# Altium PCB PDU-UV17.PcbDoc (part 2 of 2) (continued)
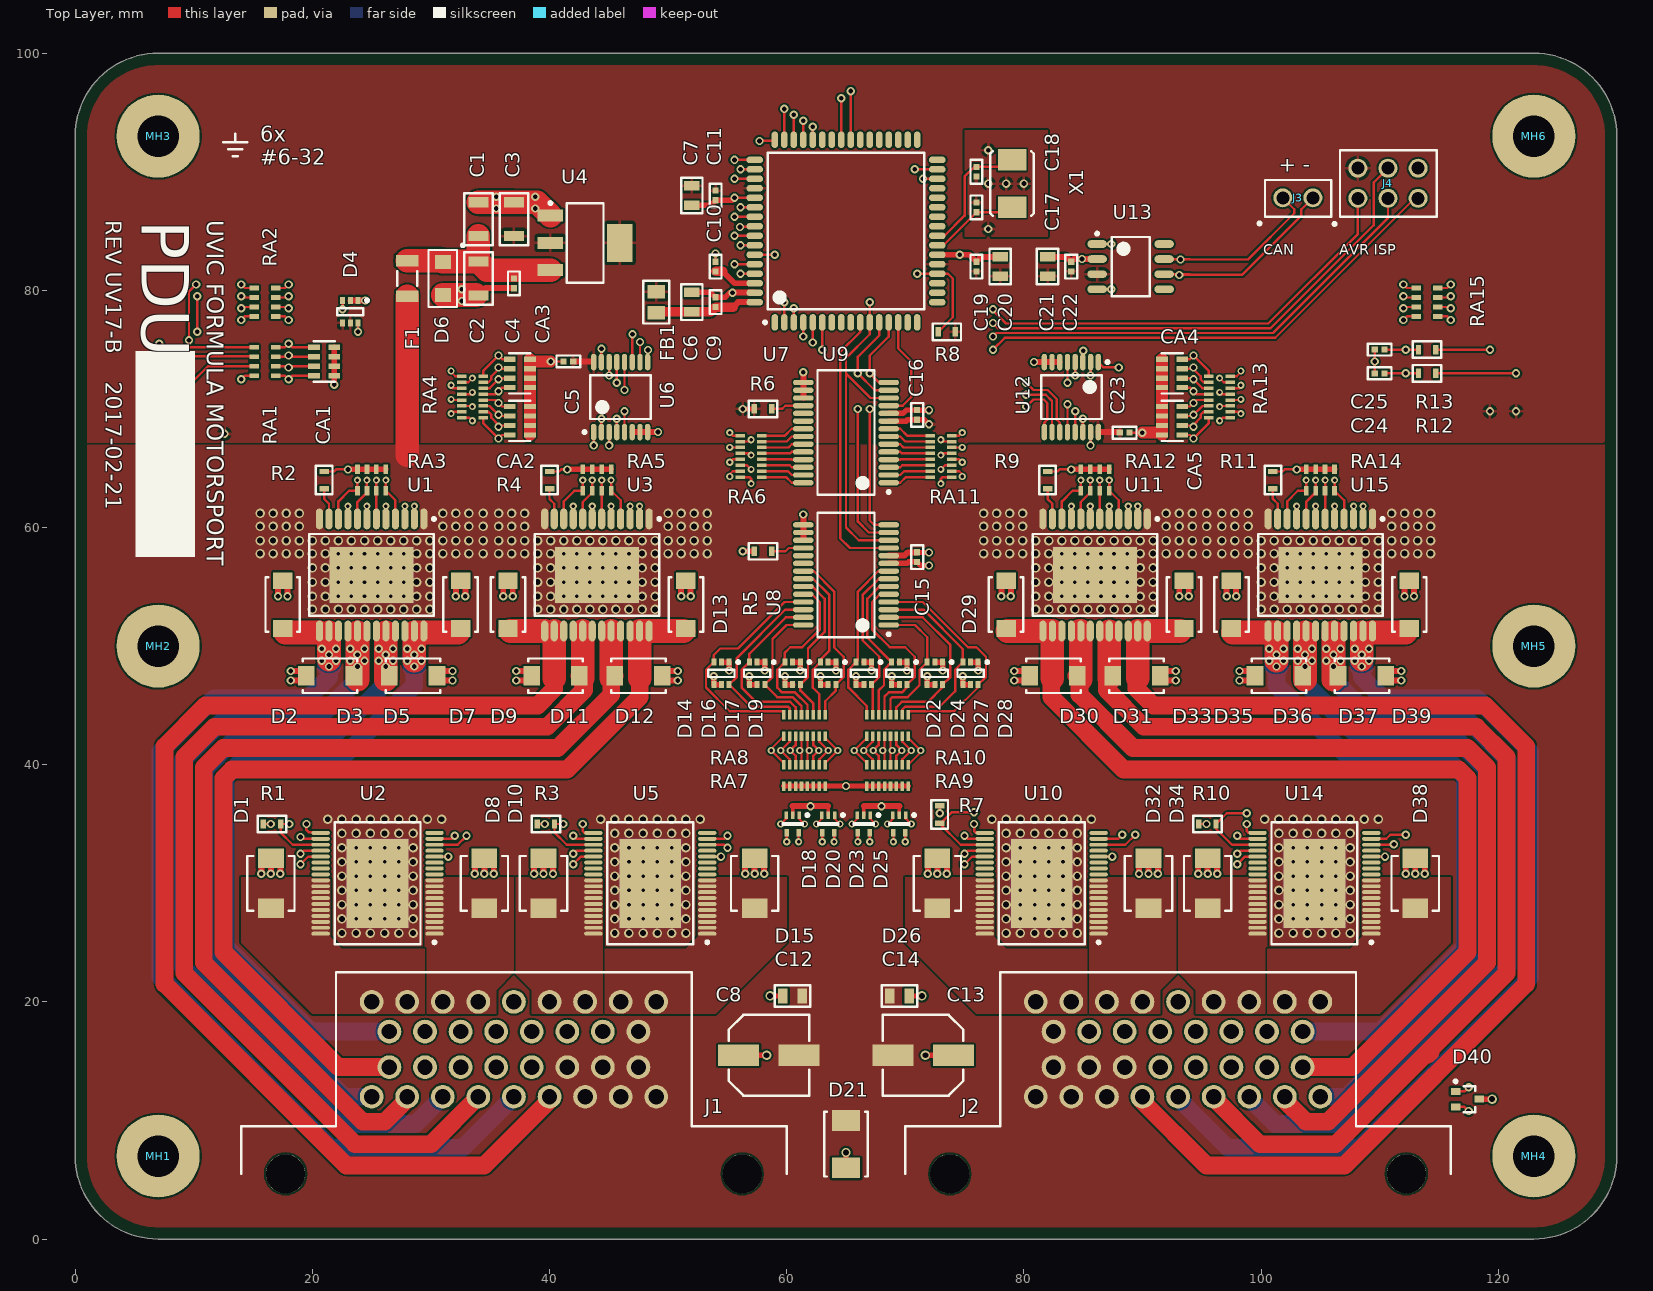
[diagram p0: Top Layer view]
## Nets (pads, with @x,y where several pads share a name; then routed paths per layer and width w, separated by ;. In a path a pad name is that pad's centre, name@x,y a point inside that pad or via, vN(x,y) a via of type N, cw(c..) or ccw(c..) an arc to the next point about the centre after c; other vN are vias at no path point) (continued)
  other v2: 23.2,48.775 24.4,48.775 23.2,49.775 24.4,49.775
OUT_5A_3: D5.2 J1.26 U1.19 U1.20 U1.21 | length 59.9
  Top Layer w2: D5.2@26.2,47.175 v2(26.2,48.275) v2(26.2,49.275) U1.20@26.2,51.15
  Bottom Layer w1.5: J1.26@25,12 22.7,12 10.9,23.8 10.9,39.6 13.3,42 21.325,42 26.2,46.875 v2@26.2,48.19
  Bottom Layer w2: v2(26.2,48.275) v2(26.2,49.275) 26.2,49.8
  other v2: 25.6,48.775 26.8,48.775 25.6,49.775 26.8,49.775
OUT_5A_4: D7.2 J1.10 U1.22 U1.23 U1.24 | length 59.4
  Top Layer w2: 28.6,48.775 28.6,51.15 D7.2@32.29,51.15
  Bottom Layer w1.5: J1.10@26.5,17.5 19.9,17.5 12.7,24.7 12.7,39 13.7,40 21.925,40 28.6,46.675 v2(28.6,48.275)
  Bottom Layer w2: v2(28.6,48.275) v2(28.6,49.275) 28.6,49.8
  other v2: 28,48.775 29.2,48.775 28,49.775 29.2,49.775
OUT_5A_5: D9.2 J1.31 U3.13 U3.14 U3.15 | length 104
  Top Layer w1.5: J1.31@40,12 40,11.7 34.5,6.2 22.863,6.2 7.544,21.519 7.544,41.544 11,45 39,45 40.4,46.4 40.4,47.3
  Top Layer w2: D9.2@36.71,51.275 U3.13@39.6,51.275 ; 40.4,47.3 U3.14@40.4,51.275
OUT_5A_6: D11.2 J1.29 U3.16 U3.17 U3.18 | length 92
  Top Layer w1.5: J1.29@34,12 30,8 23.609,8 9.196,22.413 9.196,40.65 11.746,43.2 39.8,43.2 42.9,46.3 42.9,47.115 D11.2@42.515,47.5
  Top Layer w2: D11.2@42.8,47.3 U3.17@42.8,51.275
OUT_5A_7: D12.2 J1.27 U3.19 U3.20 U3.21 | length 82.7
  Top Layer w1.5: J1.27@28,12 28,11.8 26.1,9.9 24.254,9.9 10.848,23.306 10.848,39.757 12.491,41.4 40.7,41.4 45.2,45.9 45.2,47.215 D12.2@45.485,47.5
  Top Layer w2: D12.2@45.2,47.3 U3.20@45.2,51.275
OUT_5A_8: D13.2 J1.18 U3.22 U3.23 U3.24 | length 79.9
  Top Layer w1.5: J1.18@26.5,14.5 22.2,14.5 12.5,24.2 12.5,38.863 13.237,39.6 41.5,39.6 47.6,45.7 47.6,47.3
  Top Layer w2: 47.6,47.3 U3.23@47.6,51.275 D13.2@51.29,51.275
OUT_5A_9: D29.2 J2.25 U11.13 U11.14 U11.15 | length 79.9
  Top Layer w1.5: 82.3,47.3 82.3,45.7 88.4,39.6 116.663,39.6 117.4,38.863 117.4,24.2 107.7,14.5 J2.25@103.4,14.5
  Top Layer w2: D29.2@78.61,51.275 U11.14@82.3,51.275 ; 82.4,47.3 U11.14@82.4,51.275
OUT_5A_10: D30.2 J2.33 U11.16 U11.17 U11.18 | length 82.8
  Top Layer w1.5: D30.2@84.415,47.5 84.7,47.215 84.7,45.9 89.2,41.4 117.409,41.4 119.052,39.757 119.052,23.306 105.646,9.9 103.8,9.9 101.9,11.8 J2.33@101.9,12
  Top Layer w2: D30.2@84.8,47.215 U11.17@84.8,51.275
OUT_5A_11: D31.2 J2.31 U11.19 U11.20 U11.21 | length 92.6
  Top Layer w1.5: D31.2@87.385,47.5 87.2,47.315 87,47.115 87,46.3 90.1,43.2 118.154,43.2 120.704,40.65 120.704,22.413 113.846,15.554 ; J2.31@95.9,12 99.9,8 106.291,8 113.846,15.554 ; 114.276,15.776 114.055,15.554 113.846,15.554
  Top Layer w2: D31.2@87.2,47.275 87.2,47.315 U11.20@87.2,51.25
OUT_5A_12: D33.2 J2.29 U11.22 U11.23 U11.24 | length 104
  Top Layer w1.5: 89.5,47.3 89.5,46.4 90.9,45 118.9,45 122.356,41.544 122.356,21.519 107.037,6.2 95.4,6.2 89.9,11.7 J2.29@89.9,12
  Top Layer w2: 89.6,47.3 U11.23@89.6,51.275 ; U11.24@90.3,51.275 D33.2@93.19,51.275
OUT_5A_13: D35.2 J2.17 U15.13 U15.14 U15.15 | length 59.4
  Top Layer w2: D35.2@97.61,51.15 101.3,51.15 101.3,48.775
  Bottom Layer w1.5: v2(101.3,48.275) 101.3,46.675 107.975,40 116.2,40 117.2,39 117.2,24.7 110,17.5 J2.17@103.4,17.5
  Bottom Layer w2: v2(101.3,48.275) v2(101.3,49.275) 101.3,49.8
  other v2: 100.7,48.775 101.9,48.775 100.7,49.775 101.9,49.775
OUT_5A_14: D36.2 J2.34 U15.16 U15.17 U15.18 | length 59.9
  Top Layer w2: D36.2@103.7,47.175 v2(103.7,48.275) v2(103.7,49.275) U15.17@103.7,51.15
  Bottom Layer w1.5: v2@103.7,48.19 103.7,46.875 108.575,42 116.6,42 119,39.6 119,23.8 107.2,12 J2.34@104.9,12
  Bottom Layer w2: v2(103.7,48.275) v2(103.7,49.275) 103.7,49.8
  other v2: 103.1,48.775 104.3,48.775 103.1,49.775 104.3,49.775
OUT_5A_15: D37.2 J2.32 U15.19 U15.20 U15.21 | length 69.9
  Top Layer w1.5: J2.32@98.9,11.912 J2.32@98.9,12
  Top Layer w2: D37.2@106.1,47.175 v2(106.1,48.275) v2(106.1,49.275) U15.20@106.1,51.15
  Bottom Layer w1.5: J2.32@98.9,12 101.2,9.7 107.6,9.7 120.8,22.9 120.8,40.4 117.4,43.8 109.475,43.8 106,47.275 v2@106,48.09
  Bottom Layer w2: v2(106.1,48.275) v2(106.1,49.275) 106.1,49.8
  other v2: 105.5,48.775 106.7,48.775 105.5,49.775 106.7,49.775
OUT_5A_16: D39.2 J2.30 U15.22 U15.23 U15.24 | length 80.9
  Top Layer w2: 108.5,48.875 U15.23@108.5,51.15 ; U15.24@109.3,51.15 D39.2@112.19,51.15
  Bottom Layer w1.5: J2.30@92.9,12 97.2,7.7 108.3,7.7 122.7,22.1 122.7,41.1 118.202,45.598 110.277,45.598 108.5,47.375 v2(108.5,48.275)
  Bottom Layer w2: v2(108.5,48.275) v2(108.5,49.275) 108.5,49.8
  other v2: 107.9,48.775 109.1,48.775 107.9,49.775 109.1,49.775
OUT_20A_1: D1.2 J1.1 J1.2 U2.27 U2.28 U2.29 U2.30 U2.31 U2.32 U2.33 U2.34 U2.35 U2.36
OUT_20A_2: D8.2 J1.3 J1.4 U2.1 U2.2 U2.3 U2.4 U2.5 U2.6 U2.7 U2.8 U2.9 U2.10
OUT_20A_3: D10.2 J1.6 J1.7 U5.27 U5.28 U5.29 U5.30 U5.31 U5.32 U5.33 U5.34 U5.35 U5.36
OUT_20A_4: D15.2 J1.8 J1.9 U5.1 U5.2 U5.3 U5.4 U5.5 U5.6 U5.7 U5.8 U5.9 U5.10
OUT_20A_5: D26.2 J2.1 J2.2 U10.27 U10.28 U10.29 U10.30 U10.31 U10.32 U10.33 U10.34 U10.35 U10.36
OUT_20A_6: D32.2 J2.3 J2.4 U10.1 U10.2 U10.3 U10.4 U10.5 U10.6 U10.7 U10.8 U10.9 U10.10
OUT_20A_7: D34.2 J2.6 J2.7 U14.27 U14.28 U14.29 U14.30 U14.31 U14.32 U14.33 U14.34 U14.35 U14.36
OUT_20A_8: D38.2 J2.8 J2.9 U14.1 U14.2 U14.3 U14.4 U14.5 U14.6 U14.7 U14.8 U14.9 U14.10
R\E\S\E\T\: J4.5 R8.2 U7.20 | length 63.3
  Top Layer w0.2: v2(71,81.4) U7.20@72.7,81.4 73.6,81.4 74,81 74,77.725 R8.2@72.775,76.5 ; v2(77.4,75) 78.4,76 101.2,76 112.96,87.76 J4.5@113.24,87.76
  Signal Layer 1 w0.2: v2(71,81.4) 76.1,81.4 79.1,78.4 79.1,75.8 78.3,75 v2(77.4,75)
SEL0: U2.17 U5.17 U7.40 U10.17 U14.17 | length 331.9
  Top Layer w0.2: v2(9.6,75.8) 9.598,75.802 9.598,79.898 v2(10.2,80.5) v2@10.2,80.303 ; U2.17@30.3,33.75 31.75,33.75 v2(32,34) ; U5.17@53.3,33.75 54.75,33.75 v2(55,34) ; U7.40@65.4,92.7 v2(65.4,96.8) ; U10.17@86.3,33.75 87.95,33.75 v2(88.3,34.1) ; U14.17@109.3,33.75 110.55,33.75 110.9,34.1 v2(112.2,34.1)
  Signal Layer 1 w0.2: v2(9.6,75.8) 9.6,73.2 10.4,72.4 10.4,72 10,71.6 10,58.197 13.7,54.497 13.7,41.3 16.7,38.3 31.1,38.3 32,37.4 v2(32,34) 32,33.9 32.4,33.5 32.4,28.6 36.3,24.7 52.2,24.7 55.7,28.2 55.7,33.3 v2(55,34) ; v2(10.2,80.5) 26.502,96.802 65.398,96.802 v2(65.4,96.8) 86.2,96.8 100.8,82.2 118.898,82.2 122.6,78.498 122.6,69.3 122,68.7 122,57 118,53 118,40.1 112.2,34.3 v2(112.2,34.1) 112.2,32.8 111.598,32.198 111.598,26.398 108.8,23.6 101.3,23.6 99.3,25.6 90.4,25.6 88.5,27.5 88.5,33.9 v2(88.3,34.1)
SEL1: U2.16 U5.16 U7.41 U10.16 U14.16 | length 325.5
  Top Layer w0.2: v2(10.3,76.5) v2(10.3,79.5) ; U2.16@30.3,33.25 32.25,33.25 v2(33,34) ; U5.16@53.3,33.25 54.75,33.25 v2(55,33) ; U7.41@64.6,92.7 v2(64.6,96.2) ; U10.16@86.3,33.25 88.55,33.25 v2(89.4,34.1) ; U14.16@109.3,33.25 111.15,33.25 v2(111.2,33.3)
  Signal Layer 1 w0.2: v2(10.3,76.5) 10.3,73.197 10.252,73.148 10.8,72.6 10.8,71.8 10.4,71.4 10.4,58.363 14.1,54.663 14.1,41.5 16.9,38.7 31.3,38.7 33,37 v2(33,34) 33,30 37.9,25.1 52,25.1 55.2,28.3 v2@55.2,32.8 ; v2(10.3,79.5) 27,96.2 v2(64.6,96.2) 64.602,96.198 86.236,96.198 100.634,81.8 118.8,81.8 122.2,78.4 122.2,69.5 121.6,68.9 121.6,57.2 117.6,53.2 117.6,40.3 112.348,35.048 112.048,35.048 111.2,34.2 v2(111.2,33.3) 111.2,26.7 108.5,24 101.5,24 99.5,26 90.8,26 88.9,27.9 88.9,33.6 v2(89.4,34.1)
SPI_MISO: U7.13 U8.14 U9.14 | length 21
  Top Layer w0.2: v2(67,70) 67,60.6 67.375,60.225 U8.14@68.6,60.225 ; U9.14@68.6,72.225 67.775,72.225 v2(67,73) 67,74.5 68.6,76.1 U7.13@68.6,77.3
  Signal Layer 1 w0.2: v2(67,70) v2(67,73)
SPI_MOSI: U7.12 U8.13 U9.13 | length 23.7
  Top Layer w0.2: v2(66,70) 66,60.5 66.925,59.575 U8.13@68.6,59.575 ; U7.12@67.8,77.3 67.8,76.2 66,74.4 v2(66,73) 67.425,71.575 U9.13@68.6,71.575
  Signal Layer 1 w0.2: v2(66,70) v2(66,73)
SPI_SCK: J4.3 U7.11 U8.12 U9.12 | length 79
  Top Layer w0.2: v2(67,79) U7.11@67,77.3 67,76.3 65,74.3 65,73 ; U8.12@68.6,58.925 66.075,58.925 65,60 65,73 ; U9.12@68.6,70.925 67.075,70.925 65,73 ; v2(77.4,76.1) 77.7,76.4 101,76.4 110.7,86.1 J4.3@110.7,87.76
  Signal Layer 1 w0.2: v2(67,79) 69.9,76.1 v2(77.4,76.1)
SPI_SS_IOX1: U7.10 U8.11 | length 23.3
  Top Layer w0.2: U7.10@66.2,77.3 66.2,76.5 64.5,74.8 64.5,59.1 65.325,58.275 U8.11@68.6,58.275
SPI_SS_IOX2: U7.14 U9.11 | length 9
  Top Layer w0.2: U9.11@68.6,70.275 69.775,70.275 70.5,71 70.5,74 69.4,75.1 U7.14@69.4,77.3
SW_5A_1: RA6.1 U1.9 | length 37
  Top Layer w0.2: U1.9@23,60.725 v3(23,61.8) ; v3(55.2,68) 55.45,67.75 RA6.1@56.1,67.75
  Signal Layer 1 w0.2: v3(23,61.8) 23,62 24.448,63.448 45.848,63.448 50.4,68 v3(55.2,68)
SW_5A_2: RA6.2 U1.7 | length 36.9
  Top Layer w0.2: U1.7@24.6,60.725 v3(24.6,61.8) ; RA6.2@56.1,67.25 56.85,67.25 v3(57,67.4)
  Signal Layer 1 w0.2: v3(24.6,61.8) 24.6,62 25.695,63.095 46.095,63.095 50.4,67.4 v3(57,67.4)
SW_5A_3: RA6.3 U1.5 | length 33.1
  Top Layer w0.2: U1.5@26.2,60.725 v3(26.2,61.8) ; v3(55.2,66.75) RA6.3@56.1,66.75
  Signal Layer 1 w0.2: v3(26.2,61.8) 26.2,62 26.943,62.743 46.343,62.743 50.35,66.75 v3(55.2,66.75)
SW_5A_4: RA6.4 U1.3 | length 33.1
  Top Layer w0.2: U1.3@27.8,60.725 v3(27.8,61.8) ; RA6.4@56.1,66.25 56.85,66.25 v3(57,66.1)
  Signal Layer 1 w0.2: v3(27.8,61.8) 27.8,62 28.19,62.39 46.575,62.39 50.284,66.1 v3(57,66.1)
SW_5A_5: RA6.8 U3.9 | length 19.5
  Top Layer w0.2: U3.9@42,60.725 v3(42,61.8) ; RA6.8@56.1,64.25 56.85,64.25 57,64.1 v3(57,63.7)
  Signal Layer 1 w0.2: v3(42,61.8) 42.819,61.8 44.319,60.3 48.1,60.3 51.5,63.7 v3(57,63.7)
SW_5A_6: RA6.7 U3.7 | length 15.8
  Top Layer w0.2: U3.7@43.6,60.725 v3(43.6,61.8) ; v3(55.2,64.3) 55.2,64.5 55.45,64.75 RA6.7@56.1,64.75
  Signal Layer 1 w0.2: v3(43.6,61.8) 44.419,61.8 45.467,60.752 47.952,60.752 51.5,64.3 v3(55.2,64.3)
SW_5A_7: RA6.6 U3.5 | length 15.7
  Top Layer w0.2: U3.5@45.2,60.725 v3(45.2,61.8) ; RA6.6@56.1,65.25 56.65,65.25 v3(57,64.9)
  Signal Layer 1 w0.2: v3(45.2,61.8) 46.019,61.8 46.619,61.2 47.8,61.2 51.5,64.9 v3(57,64.9)
SW_5A_8: RA6.5 U3.3 | length 12
  Top Layer w0.2: U3.3@46.8,60.725 v3(46.8,61.8) ; v3(55.2,65.5) 55.45,65.75 RA6.5@56.1,65.75
  Signal Layer 1 w0.2: v3(46.8,61.8) 50.5,65.5 v3(55.2,65.5)
SW_5A_9: RA11.4 U11.9 | length 12.8
  Top Layer w0.2: RA11.4@73.9,65.75 74.55,65.75 v3(74.8,65.5) ; U11.9@84,60.725 v3(84,61.8)
  Signal Layer 1 w0.2: v3(74.8,65.5) 80.017,65.5 83.717,61.8 v3(84,61.8)
SW_5A_10: RA11.3 U11.7 | length 16.5
  Top Layer w0.2: v3(73,64.9) 73.35,65.25 RA11.3@73.9,65.25 ; U11.7@85.6,60.725 v3(85.6,61.8)
  Signal Layer 1 w0.2: v3(73,64.9) 80,64.9 83.652,61.248 84.229,61.248 84.781,61.8 v3(85.6,61.8)
SW_5A_11: RA11.2 U11.5 | length 16.5
  Top Layer w0.2: RA11.2@73.9,64.75 74.55,64.75 74.8,64.5 v3(74.8,64.3) ; U11.5@87.2,60.725 v3(87.2,61.8)
  Signal Layer 1 w0.2: v3(74.8,64.3) 79.9,64.3 83.305,60.895 85.476,60.895 86.381,61.8 v3(87.2,61.8)
SW_5A_12: RA11.1 U11.3 | length 20.1
  Top Layer w0.2: v3(73,63.7) 73,64.1 73.15,64.25 RA11.1@73.9,64.25 ; U11.3@88.8,60.725 v3(88.8,61.8)
  Signal Layer 1 w0.2: v3(73,63.7) 79.9,63.7 83.057,60.543 86.724,60.543 87.981,61.8 v3(88.8,61.8)
SW_5A_13: RA11.5 U15.9 | length 33.8
  Top Layer w0.2: v3(73,66.1) 73.15,66.25 RA11.5@73.9,66.25 ; U15.9@103,60.725 v3(103,61.8)
  Signal Layer 1 w0.2: v3(73,66.1) 80,66.1 83.748,62.352 102.448,62.352 v3(103,61.8)
SW_5A_14: RA11.6 U15.7 | length 33.8
  Top Layer w0.2: RA11.6@73.9,66.75 v3(74.8,66.75) ; U15.7@104.6,60.725 v3(104.6,61.8)
  Signal Layer 1 w0.2: v3(74.8,66.75) 79.95,66.75 83.995,62.705 103.695,62.705 v3(104.6,61.8)
SW_5A_15: RA11.7 U15.5 | length 37.6
  Top Layer w0.2: v3(73,67.4) 73.15,67.25 RA11.7@73.9,67.25 ; U15.5@106.2,60.725 v3(106.2,61.8)
  Signal Layer 1 w0.2: v3(73,67.4) 79.9,67.4 84.243,63.057 104.943,63.057 v3(106.2,61.8)
SW_5A_16: RA11.8 U15.3 | length 37.6
  Top Layer w0.2: RA11.8@73.9,67.75 74.55,67.75 v3(74.8,68) ; U15.3@107.8,60.725 v3(107.8,61.8)
  Signal Layer 1 w0.2: v3(74.8,68) 79.9,68 84.49,63.41 106.19,63.41 v3(107.8,61.8)
SW_5A_R_1: RA6.16 U9.21 | length 3.7
  Top Layer w0.2: RA6.16@57.9,67.75 59.85,67.75 60.425,68.325 U9.21@61.4,68.325
SW_5A_R_2: RA6.15 U9.22 | length 3.7
  Top Layer w0.2: RA6.15@57.9,67.25 60,67.25 60.425,67.675 U9.22@61.4,67.675
SW_5A_R_3: RA6.14 U9.23 | length 3.6
  Top Layer w0.2: RA6.14@57.9,66.75 60.15,66.75 60.425,67.025 U9.23@61.4,67.025
SW_5A_R_4: RA6.13 U9.24 | length 3.6
  Top Layer w0.2: RA6.13@57.9,66.25 60.3,66.25 60.425,66.375 U9.24@61.4,66.375
SW_5A_R_5: RA6.9 U9.28 | length 3.7
  Top Layer w0.2: RA6.9@57.9,64.25 59.95,64.25 60.425,63.775 U9.28@61.4,63.775
SW_5A_R_6: RA6.10 U9.27 | length 3.6
  Top Layer w0.2: RA6.10@57.9,64.75 60.1,64.75 60.425,64.425 U9.27@61.4,64.425
SW_5A_R_7: RA6.11 U9.26 | length 3.6
  Top Layer w0.2: RA6.11@57.9,65.25 60.25,65.25 60.425,65.075 U9.26@61.4,65.075
SW_5A_R_8: RA6.12 U9.25 | length 3.5
  Top Layer w0.2: RA6.12@57.9,65.75 60.4,65.75 60.425,65.725 U9.25@61.4,65.725
SW_5A_R_9: RA11.13 U9.4 | length 3.5
  Top Layer w0.2: U9.4@68.6,65.725 69.575,65.725 69.6,65.75 RA11.13@72.1,65.75
SW_5A_R_10: RA11.14 U9.3 | length 3.6
  Top Layer w0.2: U9.3@68.6,65.075 69.575,65.075 69.75,65.25 RA11.14@72.1,65.25
SW_5A_R_11: RA11.15 U9.2 | length 3.6
  Top Layer w0.2: U9.2@68.6,64.425 69.575,64.425 69.9,64.75 RA11.15@72.1,64.75
SW_5A_R_12: RA11.16 U9.1 | length 3.7
  Top Layer w0.2: U9.1@68.6,63.775 69.575,63.775 70.05,64.25 RA11.16@72.1,64.25
SW_5A_R_13: RA11.12 U9.5 | length 3.6
  Top Layer w0.2: U9.5@68.6,66.375 69.575,66.375 69.7,66.25 RA11.12@72.1,66.25
SW_5A_R_14: RA11.11 U9.6 | length 3.6
  Top Layer w0.2: U9.6@68.6,67.025 69.575,67.025 69.85,66.75 RA11.11@72.1,66.75
SW_5A_R_15: RA11.10 U9.7 | length 3.7
  Top Layer w0.2: U9.7@68.6,67.675 69.575,67.675 70,67.25 RA11.10@72.1,67.25
SW_5A_R_16: RA11.9 U9.8 | length 3.7
  Top Layer w0.2: U9.8@68.6,68.325 69.575,68.325 70.15,67.75 RA11.9@72.1,67.75
SW_20A_1: RA2.5 U2.23 | length 61.2
  Top Layer w0.2: v2(14,80.5) 14.3,80.2 RA2.5@15.1,80.2 ; v2(19,31.6) 19.65,32.25 U2.23@20.7,32.25
  Signal Layer 1 w0.2: v2(14,80.5) 12.5,80.5 8.4,76.4 8.4,71.8 8.8,71.4 8.8,57.7 12.5,54 12.5,35.5 16.4,31.6 v2(19,31.6)
SW_20A_2: RA2.6 U2.22 | length 59.1
  Top Layer w0.2: v2(14,79.5) 14.1,79.4 RA2.6@15.1,79.4 ; v2(19,32.5) 19.25,32.75 U2.22@20.7,32.75
  Signal Layer 1 w0.2: v2(14,79.5) 12.1,79.5 8.8,76.2 8.8,71.904 9.2,71.504 9.2,57.866 12.9,54.166 12.9,35.7 16.1,32.5 v2(19,32.5)
SW_20A_3: RA2.7 U5.23 | length 74.5
  Top Layer w0.2: v2(14,78.5) 14.1,78.6 RA2.7@15.1,78.6 ; v2(42,31.6) 42.65,32.25 U5.23@43.7,32.25
  Signal Layer 1 w0.2: v2(14,78.5) 11.2,75.7 11.2,71.6 10.8,71.2 10.8,58.528 14.5,54.828 14.5,41.7 17.1,39.1 31.5,39.1 39,31.6 v2(42,31.6)
SW_20A_4: RA2.8 U5.22 | length 72.3
  Top Layer w0.2: v2(14,77.5) 14.3,77.8 RA2.8@15.1,77.8 ; v2(42,32.5) 42.25,32.75 U5.22@43.7,32.75
  Signal Layer 1 w0.2: v2(14,77.5) 11.6,75.1 11.6,71.4 11.2,71 11.2,58.694 14.9,54.994 14.9,41.9 17.3,39.5 31.7,39.5 38.7,32.5 v2(42,32.5)
SW_20A_5: RA15.5 U10.23 | length 89.3
  Top Layer w0.2: v2(75,31.6) 75.65,32.25 U10.23@76.7,32.25 ; RA15.5@114.9,77.8 115.7,77.8 v2(116,77.5)
  Signal Layer 1 w0.2: v2(75,31.6) 73.9,32.7 73.9,36.1 76.7,38.9 111.4,38.9 114.4,41.9 114.4,54.8 118.4,58.8 118.4,68.5 117.8,69.1 117.8,75.7 v2(116,77.5)
SW_20A_6: RA15.6 U10.22 | length 88.9
  Top Layer w0.2: v2(75,32.5) 75.25,32.75 U10.22@76.7,32.75 ; RA15.6@114.9,78.6 115.9,78.6 v2(116,78.5)
  Signal Layer 1 w0.2: v2(75,32.5) 74.3,33.2 74.3,35.4 77.4,38.5 111.6,38.5 114.8,41.7 114.8,54.6 118.8,58.6 118.8,68.7 118.2,69.3 118.2,76.3 v2(116,78.5)
SW_20A_7: RA15.7 U14.23 | length 71.5
  Top Layer w0.2: v2(98,31.6) 98.65,32.25 U14.23@99.7,32.25 ; RA15.7@114.9,79.4 115.9,79.4 v2(116,79.5)
  Signal Layer 1 w0.2: v2(98,31.6) 96.7,32.9 96.7,36.2 97.8,37.3 112.2,37.3 116,41.1 116,54 120,58 120,75.9 116.4,79.5 v2(116,79.5)
SW_20A_8: RA15.8 U14.22 | length 71.7
  Top Layer w0.2: v2(98,32.5) 98.25,32.75 U14.22@99.7,32.75 ; RA15.8@114.9,80.2 115.7,80.2 v2(116,80.5)
  Signal Layer 1 w0.2: v2(98,32.5) 97.2,33.3 97.2,35.5 98.6,36.9 112.389,36.9 116.4,40.911 116.4,53.8 120.404,57.804 120.404,77.5 117.404,80.5 v2(116,80.5)
SW_20A_R_1: RA2.4 U7.48 | length 47.3
  Top Layer w0.2: RA2.4@16.9,80.2 17.7,80.2 v2(18,80.5) ; v2(57.7,92.6) 58.9,92.6 U7.48@59,92.7
  Signal Layer 1 w0.2: v2(18,80.5) 19.5,80.5 30.9,91.9 56.5,91.9 57.2,92.6 v2(57.7,92.6)
SW_20A_R_2: RA2.3 U7.49 | length 45.2
  Top Layer w0.2: RA2.3@16.9,79.4 17.9,79.4 v2(18,79.5) ; v2(55.6,91) U7.49@57.3,91
  Signal Layer 1 w0.2: v2(18,79.5) 19.066,79.5 30.566,91 v2(55.6,91)
SW_20A_R_3: RA2.2 U7.50 | length 45.3
  Top Layer w0.2: RA2.2@16.9,78.6 17.9,78.6 v2(18,78.5) ; v2(56.1,90.2) U7.50@57.3,90.2
  Signal Layer 1 w0.2: v2(18,78.5) 18.631,78.5 30.331,90.2 v2(56.1,90.2)
SW_20A_R_4: RA2.1 U7.51 | length 45.5
  Top Layer w0.2: RA2.1@16.9,77.8 17.7,77.8 v2(18,77.5) ; v2(55.6,89.4) U7.51@57.3,89.4
  Signal Layer 1 w0.2: v2(18,77.5) 18.197,77.5 30.097,89.4 v2(55.6,89.4)
SW_20A_R_5: RA15.4 U7.44 | length 59
  Top Layer w0.2: U7.44@62.2,92.7 v2(62.2,93.8) ; v2(112,77.5) 112.3,77.8 RA15.4@113.1,77.8
  Signal Layer 1 w0.2: v2(62.2,93.8) 62.4,94 85.651,94 101.227,78.424 111.076,78.424 v2(112,77.5)
SW_20A_R_6: RA15.3 U7.45 | length 60.1
  Top Layer w0.2: U7.45@61.4,92.7 v2(61.4,94.3) ; v2(112,78.5) 112.1,78.6 RA15.3@113.1,78.6
  Signal Layer 1 w0.2: v2(61.4,94.3) 61.6,94.5 85.649,94.5 101.325,78.824 111.676,78.824 v2(112,78.5)
SW_20A_R_7: RA15.2 U7.46 | length 61.4
  Top Layer w0.2: U7.46@60.6,92.7 v2(60.6,94.8) ; v2(112,79.5) 112.1,79.4 RA15.2@113.1,79.4
  Signal Layer 1 w0.2: v2(60.6,94.8) 60.8,95 85.647,95 101.423,79.224 111.724,79.224 v2(112,79.5)
SW_20A_R_8: RA15.1 U7.47 | length 63
  Top Layer w0.2: U7.47@59.8,92.7 v2(59.8,95.3) ; v2(112,80.5) 112.3,80.2 RA15.1@113.1,80.2
  Signal Layer 1 w0.2: v2(59.8,95.3) 60,95.5 85.645,95.5 101.521,79.624 111.124,79.624 v2(112,80.5)
pads on no net: J1.MH1 J1.MH2 J2.MH1 J2.MH2 U2.11 U2.12 U2.13 U2.15 U2.18 U2.24 U2.25 U2.26 U5.11 U5.12 U5.13 U5.15 U5.18 U5.24 U5.25 U5.26 U7.1 U7.7 U7.8 U7.9 U7.15 U7.16 U7.17 U7.18 U7.19 U7.27 U7.28 U7.29 U7.32 U7.33 U7.34 U7.35 U7.36 U7.37 U7.38 U7.39 U7.42 U7.43 U8.19 U8.20 U9.19 U9.20 U10.11 U10.12 U10.13 U10.15 U10.18 U10.24 U10.25 U10.26 U13.5 U13.8 U14.11 U14.12 U14.13 U14.15 U14.18 U14.24 U14.25 U14.26

## Polygon pours and split planes (outlines as drawn)
GND on Signal Layer 1 "GND_L03_P026" (solid, pour order 26): 7,99 ccw(c7,93) 1,93 1,7 ccw(c7,7) 7,1 123,1 ccw(c123,7) 129,7 129,93 ccw(c123,93) 123,99
+VBAT on Bottom Layer "+VBAT_L04_P022" (solid, pour order 22): 7,99 ccw(c7,93) 1,93 1,7 ccw(c7,7) 7,1 123,1 ccw(c123,7) 129,7 129,93 ccw(c123,93) 123,99
GND on Top Layer "GND_L01_P000" (solid, pour order 0): 75,93.5 75,84.5 82,84.5 82,93.5
OUT_20A_1 on Top Layer "OUT_20A_1_L01_P001" (solid, pour order 1): 21.5,30.5 14,30.5 14,25 20,19 29.5,19 29.5,24.5 22.5,24.5 21.5,25.5
OUT_20A_2 on Top Layer "OUT_20A_2_L01_P002" (solid, pour order 2): 29.5,30.5 29.5,19 35.5,19 35.5,21 37,22.5 37,30.5
OUT_20A_3 on Top Layer "OUT_20A_3_L01_P004" (solid, pour order 4): 44.5,30.5 44.5,19 38.5,19 38.5,21 37,22.5 37,30.5
OUT_20A_4 on Top Layer "OUT_20A_4_L01_P006" (solid, pour order 6): 52.5,30.5 60,30.5 60,25 54,19 44.5,19 44.5,24.5 51.5,24.5 52.5,25.5
OUT_20A_8 on Top Layer "OUT_20A_8_L01_P008" (solid, pour order 8): 108.5,30.5 116,30.5 116,25 110,19 100.5,19 100.5,24.5 107.5,24.5 108.5,25.5
OUT_20A_7 on Top Layer "OUT_20A_7_L01_P010" (solid, pour order 10): 100.5,30.5 100.5,19 94.5,19 94.5,21 93,22.5 93,30.5
OUT_20A_6 on Top Layer "OUT_20A_6_L01_P012" (solid, pour order 12): 85.5,30.5 85.5,19 91.5,19 91.5,21 93,22.5 93,30.5
OUT_20A_5 on Top Layer "OUT_20A_5_L01_P014" (solid, pour order 14): 77.5,30.5 70,30.5 70,25 76,19 85.5,19 85.5,24.5 78.5,24.5 77.5,25.5
+VBAT on Top Layer "+VBAT_L01_P018" (solid, pour order 18): 1,67 129,67 129,7 cw(c123,7) 123,1 7,1 cw(c7,7) 1,7
+5V on Top Layer "+5V_L01_P024" (solid, pour order 24): 1,67 1,93 cw(c7,93) 7,99 123,99 cw(c123,93) 129,93 129,67
GND on Internal Plane 1 (split plane): 123.34,99.483 123.679,99.456 124.016,99.412 124.35,99.35 124.68,99.27 125.006,99.174 125.326,99.061 125.64,98.93 125.947,98.784 126.246,98.622 126.536,98.444 126.816,98.252 127.085,98.045 127.344,97.824 127.59,97.59 127.824,97.344 128.045,97.085 128.252,96.816 128.444,96.536 128.622,96.246 128.784,95.947 128.93,95.64 129.061,95.326 129.174,95.006 129.27,94.68 129.35,94.35 129.412,94.016 129.456,93.679 129.483,93.34 129.491,93.017 129.49,93 129.49,7 129.491,6.983 129.483,6.66 129.456,6.321 129.412,5.984 129.35,5.65 129.27,5.32 129.174,4.994 129.061,4.674 128.93,4.36 128.784,4.053 128.622,3.754 128.444,3.464 128.252,3.184 128.045,2.915 127.824,2.656 127.59,2.41 127.344,2.176 127.085,1.955 126.816,1.748 126.536,1.556 126.246,1.378 125.947,1.216 125.64,1.07 125.326,0.939 125.006,0.826 124.68,0.73 124.35,0.65 124.016,0.588 123.679,0.544 123.34,0.517 123.017,0.509 123,0.51 7,0.51 6.983,0.509 6.66,0.517 6.321,0.544 5.984,0.588 5.65,0.65 5.32,0.73 4.994,0.826 4.674,0.939 4.36,1.07 4.053,1.216 3.754,1.378 3.464,1.556 3.184,1.748 2.915,1.955 2.656,2.176 2.41,2.41 2.176,2.656 1.955,2.915 1.748,3.184 1.556,3.464 1.378,3.754 1.216,4.053 1.07,4.36 0.939,4.674 0.826,4.994 0.73,5.32 0.65,5.65 0.588,5.984 0.544,6.321 0.517,6.66 0.509,6.983 0.51,7 0.51,93 0.509,93.017 0.517,93.34 0.544,93.679 0.588,94.016 0.65,94.35 0.73,94.68 0.826,95.006 0.939,95.326 1.07,95.64 1.216,95.947 1.378,96.246 1.556,96.536 1.748,96.816 1.955,97.085 2.176,97.344 2.41,97.59 2.656,97.824 2.915,98.045 3.184,98.252 3.464,98.444 3.754,98.622 4.053,98.784 4.36,98.93 4.674,99.061 4.994,99.174 5.32,99.27 5.65,99.35 5.984,99.412 6.321,99.456 6.66,99.483 6.983,99.491 7,99.49 123,99.49 123.017,99.491

## Silkscreen, mask and mechanical layers (free items; w line width, h text height)
Top Overlay:
  region: 5.1,74.9 5.1,57.5 10.1,57.5 10.1,74.9
  lines w0.2: 12.5,92.5 14.5,92.5 ; 12.9,91.9 14.1,91.9 ; 13.3,91.3 13.7,91.3 ; 13.5,92.5 13.5,93.2
  text "6x / #6-32" at 15.6,90.6 h1.3
  text "+ -" at 101.5,90 h1.3
  text "REV UV17-B    2017-02-21" at 2.6,85.9 h1.35 r270
  text "PDU" at 5.6,85.9 h4 r270
  text "UVIC FORMULA MOTORSPORT" at 11.1,85.9 h1.41 r270
  text "CAN" at 100.2,82.7 h1.52
  text "AVR ISP" at 106.6,82.7 h1.52
Bottom Overlay:
  rectangle: 24.7,66.3 41.7,71.3
  lines w0.2: 25.2,75.3 25.7,75.3 ; 25.2,79.3 25.7,79.3 ; 26.7,75.3 27.2,75.3 ; 26.7,79.3 27.2,79.3 ; 28.2,75.3 28.7,75.3 ; 28.2,79.3 28.7,79.3 ; 29.7,75.3 30.2,75.3 ; 29.7,79.3 30.2,79.3 ; 31.2,75.3 31.7,75.3 ; 31.2,79.3 31.7,79.3 ; 32.7,75.3 33.2,75.3 ; 32.7,79.3 33.2,79.3 ; 34.2,75.3 34.7,75.3 ; 34.2,79.3 34.7,79.3 ; 35.7,75.3 36.2,75.3 ; 35.7,79.3 36.2,79.3 ; 37.2,75.3 37.7,75.3 ; 37.2,79.3 37.7,79.3 ; 38.7,75.3 39.2,75.3 ; 38.7,79.3 39.2,79.3 ; 40.2,75.3 40.7,75.3 ; 40.2,79.3 40.7,79.3 ; 41.7,75.3 42.2,75.3 ; 41.7,79.3 42.2,79.3 ; 43.2,75.3 43.7,75.3 ; 43.2,79.3 43.7,79.3 ; 44.7,75.3 45.2,75.3 ; 44.7,79.3 45.2,79.3 ; 46.2,75.3 46.7,75.3 ; 46.2,79.3 46.7,79.3 ; 47.7,75.3 48.2,75.3 ; 47.7,79.3 48.2,79.3 ; 49.2,75.3 49.7,75.3 ; 49.2,79.3 49.7,79.3 ; 50.7,75.3 51.2,75.3 ; 50.7,79.3 51.2,79.3 ; 52.2,75.3 52.7,75.3 ; 52.2,79.3 52.7,79.3 ; 53.7,75.3 54.2,75.3 ; 53.7,79.3 54.2,79.3 ; 55.2,75.3 55.7,75.3 ; 55.2,79.3 55.7,79.3 ; 56.7,75.3 57.2,75.3 ; 56.7,79.3 57.2,79.3 ; 58.2,75.3 58.7,75.3 ; 58.2,79.3 58.7,79.3 ; 59.7,75.3 60.2,75.3 ; 59.7,79.3 60.2,79.3 ; 61.2,75.3 61.7,75.3 ; 61.2,79.3 61.7,79.3 ; 62.7,75.3 63.2,75.3 ; 62.7,79.3 63.2,79.3 ; 64.2,75.3 64.7,75.3 ; 64.2,79.3 64.7,79.3 ; 65.7,75.3 66.2,75.3 ; 65.7,79.3 66.2,79.3 ; 67.2,75.3 67.7,75.3 ; 67.2,79.3 67.7,79.3 ; 68.7,75.3 69.2,75.3 ; 68.7,79.3 69.2,79.3 ; 70.2,75.3 70.7,75.3 ; 70.2,79.3 70.7,79.3 ; 71.7,75.3 72.2,75.3 ; 71.7,79.3 72.2,79.3 ; 73.2,75.3 73.7,75.3 ; 73.2,79.3 73.7,79.3 ; 74.7,75.3 75.2,75.3 74.7,75.3 ; 74.7,79.3 75.2,79.3 74.7,79.3 ; 76.2,75.3 76.7,75.3 76.2,75.3 ; 76.2,79.3 76.7,79.3 76.2,79.3 ; 77.7,75.3 78.2,75.3 77.7,75.3 ; 77.7,79.3 78.2,79.3 77.7,79.3
  lines w1: 25.2,71.3 104.7,71.3 ; 25.2,84.8 104.7,84.8
  text "UVIC FORMULA MOTORSPORT" at 78.2,80.3 h2.5
  text "POWER DISTRIBUTION UNIT" at 78.2,76.3 h2
  text "2017-02-21" at 50.3,72.8 h1.5
  text "DATE:" at 57.3,72.8 h1.5
  text "UV17-B" at 68.2,72.8 h1.5
  text "REVISION:" at 78.2,72.8 h1.5
  text "PDU" at 104.7,72.8 h10
  text "BOARD NUMBER" at 38.7,64.3 h1.3
  text "1" at 22,20 h1.3
  text "9" at 54,20 h1.3
  text "1" at 78,20 h1.3
  text "9" at 110,20 h1.3
  text "10" at 22,17 h1.3
  text "17" at 54,17 h1.3
  text "10" at 78,17 h1.3
  text "17" at 110,17 h1.3
  text "18" at 22,14 h1.3
  text "25" at 54,14 h1.3
  text "18" at 78,14 h1.3
  text "25" at 110,14 h1.3
  text "26" at 22,11 h1.3
  text "34" at 54,11 h1.3
  text "26" at 78,11 h1.3
  text "34" at 110,11 h1.3
Bottom Solder:
  rectangle: 20,23 31,36
  rectangle: 43,23 54,36
  rectangle: 100,23 110,36
  rectangle: 76,23 87,36
  rectangle: 19,51 31,61
  rectangle: 99,51 111,61
  rectangle: 38,51 50,61
  rectangle: 30,56 39,62
  region: 92,61 80,61 80,51 92,51
  rectangle: 14.6,56 20,62
  rectangle: 49,56 54.4,62
  region: 80.9,62 75.5,62 75.5,56 80.9,56
  region: 115.3,62 109.9,62 109.9,56 115.3,56
  region: 99.9,62 90.9,62 90.9,56 99.9,56
  rectangle: 17,23 54,30
  region: 113,30 76,30 76,23 113,23
Mechanical 1:
  the board outline again, w0.2